# Altium PCB 主控板V3.PcbDoc
Units mil, origin at the board's own origin, x right, y up, seen from the top; angles counter-clockwise.
Board outline 3937.01 x 3937.01 mil, 2 copper layers (Top Layer, Bottom Layer); 122 components, 120 nets, 500 pads, 221 vias.
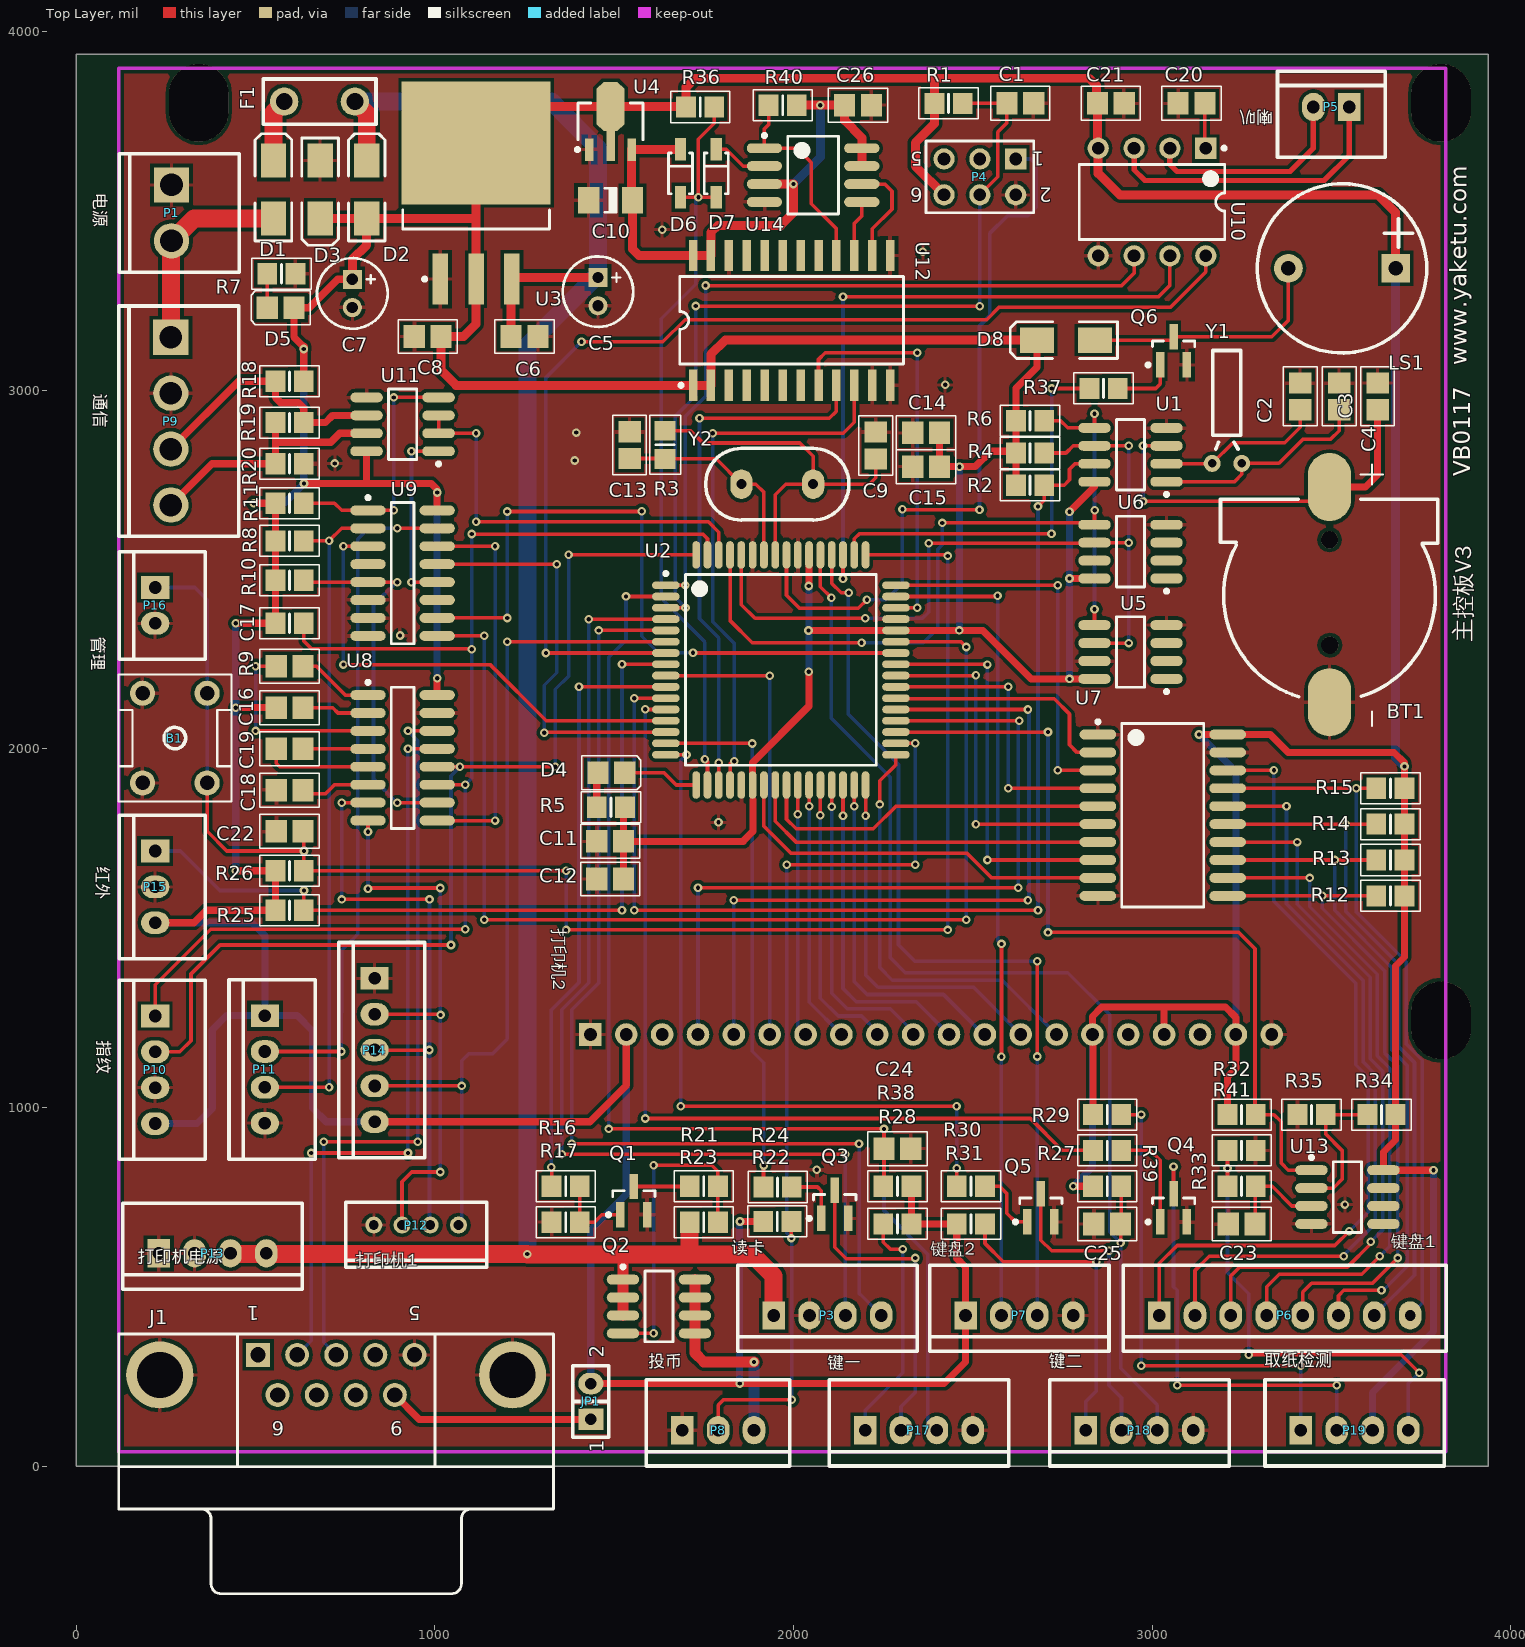
[diagram p0: Top Layer view]
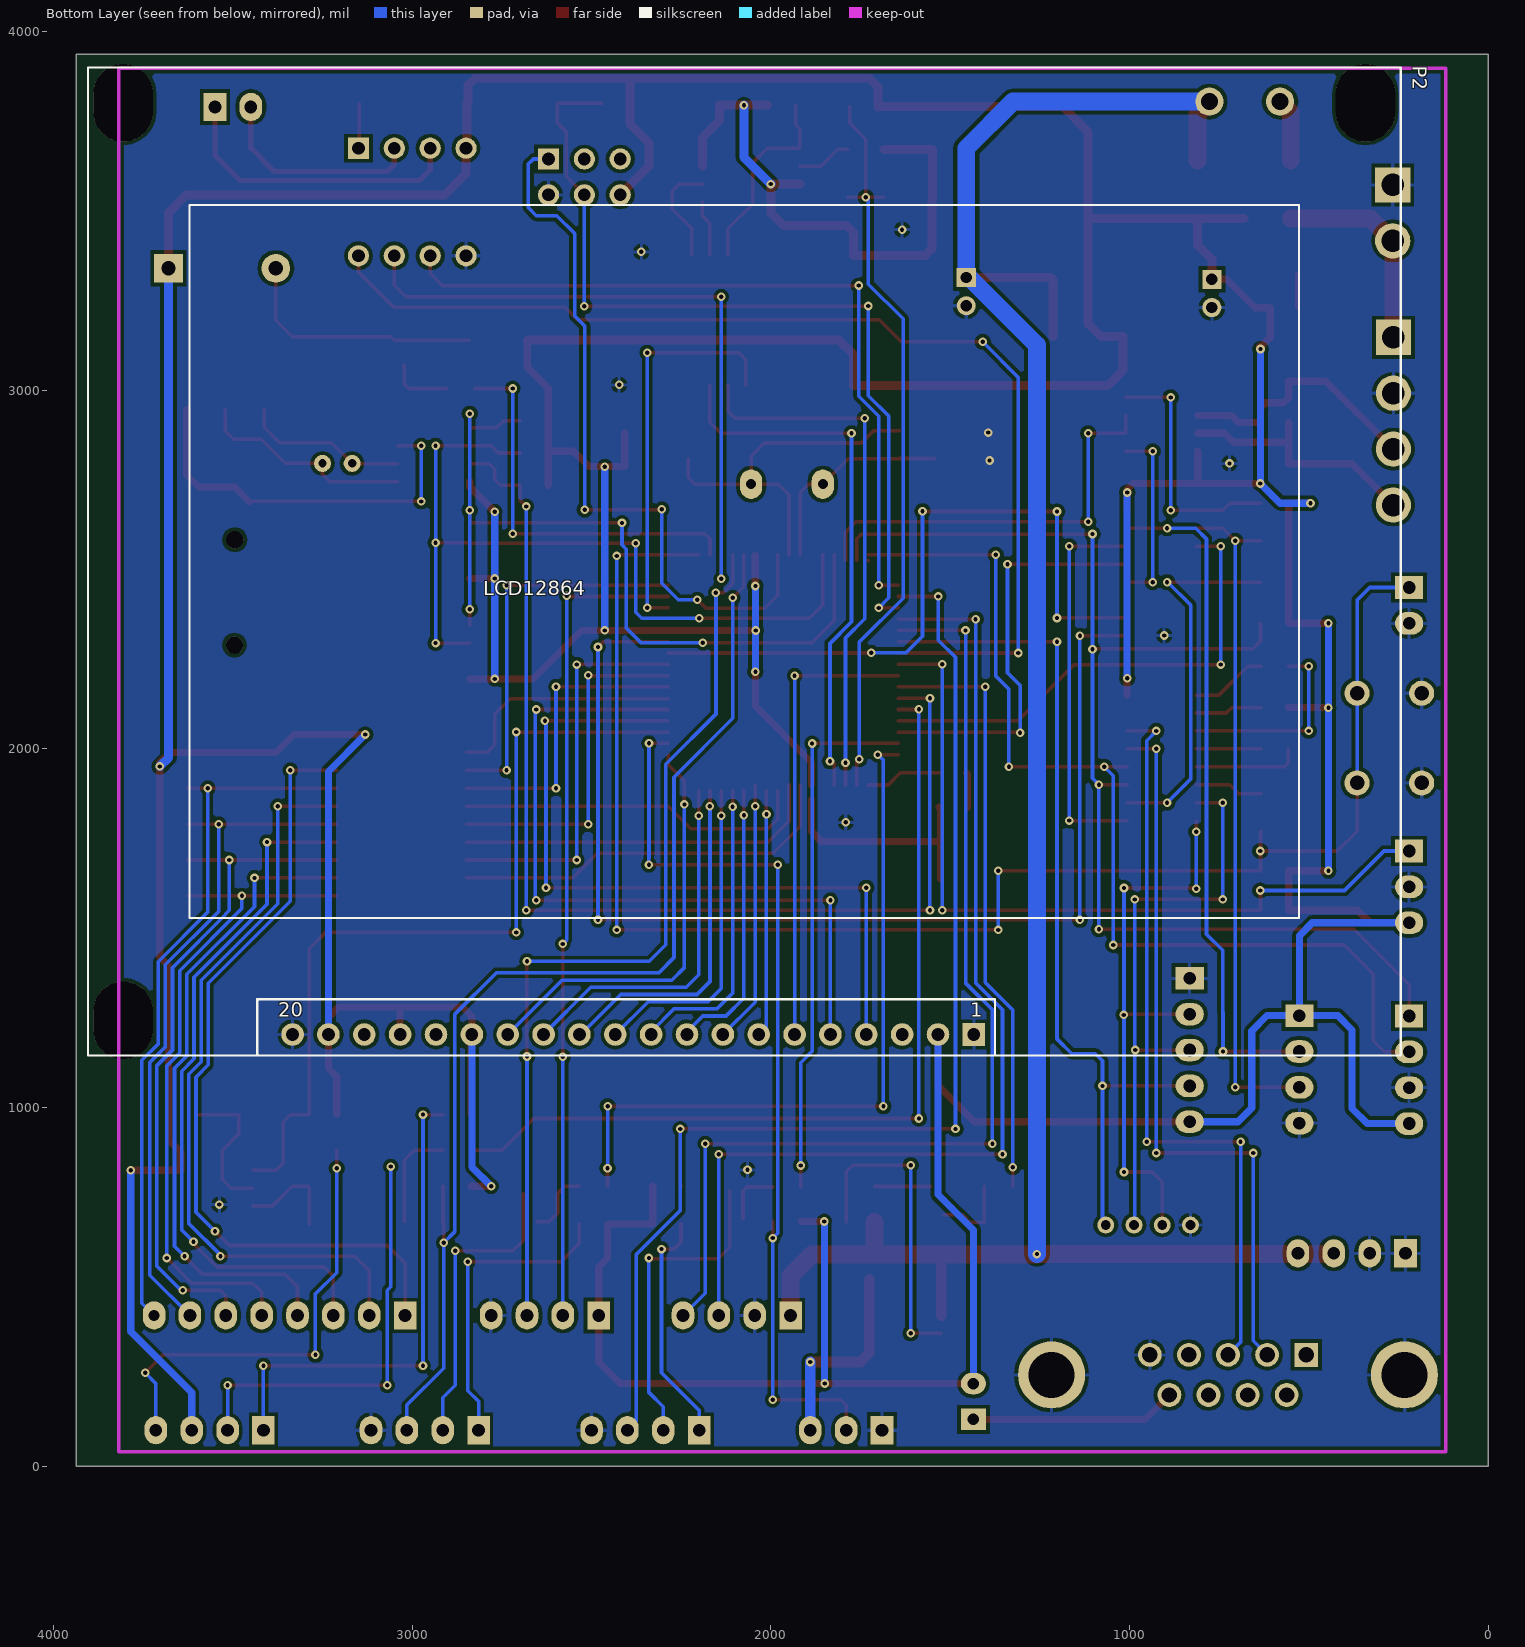
[diagram p1: Bottom Layer view, seen from below]

## Layer stack, top to bottom
Top Solder: solder mask 0.4, Solder Resist, Dk 3.5
Top Layer: signal copper 1.4
Dielectric 1: dielectric 12.6, FR-4, Dk 4.8
Bottom Layer: signal copper 1.4
Bottom Solder: solder mask 0.4, Solder Resist, Dk 3.5

## Board outline
0,0 0,3937.01 3937.01,3937.01 3937.01,0

## Design rules (kind name [scope] priority, off if disabled: settings)
Clearance [All] p1 off: gap=10
HoleSize [All] p1: absolutevalues=TRUE maxlimit=500 minlimit=1 maxpercent=80.000 minpercent=20.000
MinimumSolderMaskSliver [All] p1 off: minsoldermaskwidth=10
PolygonConnect [All] p1: connectstyle=Relief reliefconductorwidth=10 reliefentries=4 polygonreliefangle="90 Angle" airgapwidth=10
RoutingVias [All] p1: holewidth=28 width=50 viastyle="Through Hole" minholewidth=28 minwidth=50 maxholewidth=28 maxwidth=50
SilkToBoardRegionClearance [All] p1 off:
SilkToSilkClearance [All] p1 off: silktosilkclearance=10
SilkToSolderMaskClearance [IsPad] p1 off: minsilkscreentomaskgap=10 clearancetoexposedcopper=TRUE
SolderMaskExpansion [All] p1: expansion=4
Width [All] p1: maxlimit=50 minlimit=10 preferedwidth=10
24 further rules are at their usual default settings.

## Components (designator, comment, footprint, x,y, rotation, side; value= is the part's Value field where it differs from the comment)
B1 "button" AN66 275,2030 r180 top
BT1 "bettery" CR1220 3495,2430 r270 top
C1 "0.1uF" CAPC2012M 2632.6,3800 r180 top
C2 "15pF" CAPC2012M 3413,2983 r90 top
C3 "0.1uF" CAPC2012M 3629,2983 r270 top
C4 "15pF" CAPC2012M 3522,2983 r90 top
C5 "Cap Pol2" CAPPR2-5x11.5 1455,3275 r270 top
C6 "0.1uF" CAPC2012M 1250,3150 r180 top
C7 "Cap Pol2" CAPPR2-5x11.5 770,3270 r270 top
C8 "0.1uF" CAPC2012M 980,3150 r0 top
C9 "15pF" CAPC2012M 2230,2846 r270 top
C10 "Cap Pol1" CAPC3216M 1490,3530 r180 top
C11 "0.1uF" CAPC2012M 1489,1742 r0 top
C12 "10uF" CAPC2012M 1489,1637 r0 top
C13 "15pF" CAPC2012M 1543,2847 r270 top
C14 "0.1uF" CAPC2012M 2370,2881 r0 top
C15 "10uF" CAPC2012M 2370,2787 r0 top
C16 "0.1uF" CAPC2012M 595,2000 r0 top
C17 "0.1uF" CAPC2012M 595,2230 r0 top
C18 "0.1uF" CAPC2012M 595,1885 r0 top
C19 "0.1uF" CAPC2012M 595,2115 r180 top
C20 "0.1uF" CAPC2012M 3110,3800 r180 top
C21 "0.1uF" CAPC2012M 2885,3800 r180 top
C22 "0.1uF" CAPC2012M 595,1770 r0 top
C23 "0.1uF" CAPC2012M 3250,675 r0 top
C24 "0.1uF" CAPC2012M 2290,885 r180 top
C25 "0.1uF" CAPC2012M 2875,675 r0 top
C26 "0.1uF" CAPC2012M 2180,3795 r180 top
D1 "Diode" DSO-C2/X1.8 550,3560 r90 top
D2 "Diode" DSO-C2/X1.8 810,3560 r90 top
D3 "SMAJ6.0A" DSO-C2/X1.8 680,3560 r270 top
D4 "LED" LED2012M 1492,1933 r0 top
D5 "LED" LED2012M 570,3230 r180 top
D6 "1N4007" SOD123 1685,3605 r90 top
D7 "1N4007" SOD123 1785,3605 r90 top
D8 "Diode" DSO-C2/X1.8 2760,3140 r180 top
F1 "Fuse" SR075 580,3805 r0 top
J1 "D Connector 9" DSUB1.385-2H9 725,-120 r180 top
JP1 "Jumper2" JP2 1435,180 r90 top
LS1 "Buzzer" BELL 3530,3340 r0 top
P1 "Header 2" VH396-2 120,3660 r270 top
P2 "LCD" LCD12864 3885,1105 r180 bottom locked
P3 "Header 4" XH254-4 1945,420 r0 top
P4 "DEBUG" HDR2X3 2620,3645 r180 top
P5 "Header 2" XH254-2 3550,3790 r180 top
P6 "keys" XH254-8 3020,420 r0 top
P7 "Header 4" XH254-4 2480,420 r0 top
P8 "投币" XH254-3 1690,100 r0 top
P9 "Header 4" VH396-4 118.11,3235 r270 top
P10 "Header 4" XH254-4 220,1255 r270 top
P11 "Header 4" XH254-4 526,1256 r270 top
P12 "P12" "PH-A4 2.0" 1066,672 r180 top
P13 "P13" XH254-4 230,593 r0 top
P14 "P14" XH254-5 832,1360 r270 top
P15 "1838T" XH254-3 220,1715 r270 top
P16 "Header 2" XH254-2 220,2450 r270 top
P17 "Header 4" XH254-4 2200,100 r0 top
P18 "Header 4" XH254-4 2815,100 r0 top
P19 "Header 4" XH254-4 3415,100 r0 top
Q1 "8050" SOT23-3M 1555,740 r90 top
Q2 "IRF4435" SO8_M 1625,445 r0 top
Q3 "8050" SOT23-3M 2115,730 r90 top
Q4 "8050" SOT23-3M 3060,720 r90 top
Q5 "8050" SOT23-3M 2690,720 r90 top
Q6 "8050" SOT23-3M 3060,3110 r90 top
R1 "10K" RESC2012M 2432.6,3800 r180 top
R2 "10K" RESC2012M 2660,2735 r180 top
R3 "1M" RESC2012M 1642,2848 r270 top
R4 "10K" RESC2012M 2660,2825 r180 top
R5 "1K" RESC2012M 1491,1837 r0 top
R6 "10K" RESC2012M 2660,2915 r180 top
R7 "1K" RESC2012M 572,3325 r180 top
R8 "10K" RESC2012M 595,2580 r180 top
R9 "10K" RESC2012M 595,2350 r180 top
R10 "10K" RESC2012M 595,2470 r180 top
R11 "10K" RESC2012M 595,2685 r180 top
R12 "10K" RESC2012M 3665,1590 r180 top
R13 "10K" RESC2012M 3665,1690 r180 top
R14 "10K" RESC2012M 3665,1790 r180 top
R15 "10K" RESC2012M 3665,1890 r180 top
R16 "470" RESC2012M 1365,780 r0 top
R17 "1K" RESC2012M 1365,680 r0 top
R18 "620" RESC2012M 595,3025 r0 top
R19 "120" RESC2012M 595,2910 r0 top
R20 "620" RESC2012M 595,2795 r180 top
R21 "10K" RESC2012M 1750,780 r0 top
R22 "10K" RESC2012M 1955,682 r180 top
R23 "10K" RESC2012M 1750,680 r180 top
R24 "470" RESC2012M 1956,778 r0 top
R25 "10K" RESC2012M 595,1550 r180 top
R26 "10K" RESC2012M 595,1660 r180 top
R27 "470" RESC2012M 2875,880 r0 top
R28 "100" RESC2012M 2290,675 r0 top
R29 "3.3K" RESC2012M 2875,980 r180 top
R30 "470" RESC2012M 2495,780 r0 top
R31 "100" RESC2012M 2495,675 r180 top
R32 "100K" RESC2012M 3250,880 r180 top
R33 "1K" RESC2012M 3250,780 r0 top
R34 "10K" RESC2012M 3640,980 r0 top
R35 "10K" RESC2012M 3445,980 r0 top
R36 "1K" RESC2012M 1740,3790 r0 top
R37 "100" RESC2012M 2865,3005 r0 top
R38 "10K" RESC2012M 2290,780 r0 top
R39 "10K" RESC2012M 2875,780 r180 top
R40 "10K" RESC2012M 1970,3795 r0 top
R41 "10K" RESC2012M 3250,980 r180 top
U1 "SD2068" SO8_M 2940,2820 r180 top
U2 "MC9S08AC60" QFP80P1720X1720-64N 1965,2220 r0 top
U3 "LM1085IS-5.0" TS3B_M 1115,3550 r90 top
U4 "HT7335" SOT89M 1490,3750 r90 top
U5 "24CXX" SO8_M 2940,2270 r180 top
U6 "24CXX" SO8_M 2940,2550 r180 top
U7 "SN74LVC244" SO20W 3030,1815 r0 top
U8 "MAX232AESE" SO16_M 910,1975 r0 top
U9 "CD4052BCM" SO16_M 910,2490 r0 top
U10 "NY3P065B" DIP-8 3000,3525 r270 top
U11 "MAX485ESA" SO8_M 910,2905 r180 top
U12 "74HC4245" SO24W 1995,3195 r0 top
U13 "LM393D" SO8_M 3545,750 r0 top
U14 "W25X16" SOP127P780-8M 2055,3600 r0 top
Y1 "XTAL" XTAL-W2/D2.1 3209,2796 r90 top
Y2 "XTAL" HC49_TH 1955,2738 r180 top

## Footprints (in the part's own frame and the unit in brackets; to place one, negate y for a bottom-side part, rotate by r counter-clockwise, add the part's x,y. Pads: shape width x height; smd on the part's side, far side on the other; paste and mask are expansions set on the pad)
AN66 [mil]
  round 70 hole 40: 1(-90,125) 2(90,125) 3(-90,-125) 4(90,-125)
  silkscreen extent -157,-177 157,177
BELL [mil]
  rect 80x80 hole 40: 1(149.61,0)
  round 80 hole 40: 2(-149.61,0)
  silkscreen extent -236,-236 236,236
CAPC2012M [mm] "Chip Capacitor, Body 2.0x1.3mm, IPC Low Density"
  rect 1.5x1.6 smd: 1(-0.95,0) 2(0.95,0)
  silkscreen extent -2.1,-1.2 2.1,1.2, body extent -1.1,-0.72 1.1,0.72, height 1.1
CAPC3216M [mm] "Chip Capacitor, Body 3.2x1.6mm, IPC Low Density"
  rect 1.5x1.9 smd: 1(-1.55,0) 2(1.55,0)
  silkscreen extent -0.4,-0.85 0.4,0.85, body extent -1.7,-0.9 1.7,0.9, height 1.35
CAPPR2-5x11.5 [mm] "Capacitor, Electrolytic, Radial; Body 5 x 11.5 mm (Dia.xH typ); Pin Spacing 2 mm (typ)"
  rect 1.35x1.35 hole 0.8: 1(-1,0)
  round 1.35 hole 0.8: 2(1,0)
  silkscreen extent -2.5,-2.5 2.5,2.5
CR1220 [mil]
  oval 190x120 smd: 1(-300,0) 2(300,0)
  round 48 hole 48 unplated: ""(-153,0) ""(141,0.76)
  silkscreen extent -362,-304 366,302
DIP-8 [mm] "DIP; 8 Leads; Row Spacing 7.62 mm; Pitch 2.54 mm"
  rect 1.5x1.5 hole 0.9: 1(-3.81,3.81)
  round 1.5 hole 0.9: 2(-3.81,1.27) 3(-3.81,-1.27) 4(-3.81,-3.81) 5(3.81,-3.81) 6(3.81,-1.27) 7(3.81,1.27) 8(3.81,3.81)
  silkscreen extent -3.93,-5.15 2.65,5.24, body extent -3.6,-5.15 3.6,5.15, height 5.08
DSO-C2/X1.8 [mm] "DO-214-AC/SMA; 2 C-Bend Leads; Body 5 x 2.7 mm, inc. leads (LxW)"
  rect 2.4x1.8 smd: 1(-2.05,0) 2(2.05,0)
  silkscreen extent -3.65,-1.3 3.95,1.3
DSUB1.385-2H9 [mm] "Connector; D Subminiature; 9 Position; Right Angle; Pitch 1.385 mm"
  rect 1.69x1.69 hole 1.09: 1(5.54,-10.92)
  round 1.69 hole 1.09: 2(2.77,-10.92) 3(0,-10.92) 4(-2.77,-10.92) 5(-5.54,-10.92) 6(4.155,-8.08) 7(1.385,-8.08) 8(-1.385,-8.08) 9(-4.155,-8.08)
  round 4.76 hole 3.26: 10(-12.495,-9.5) 11(12.495,-9.5)
  silkscreen extent -15.4,-12.4 15.4,6
HC49_TH [mil]
  oval 62x82 hole 28: 1(-100,0) 2(100,0)
  silkscreen extent -200,-100 200,100
HDR2X3 [mm] "Connector; Header; 3x2 Position"
  rect 1.5x1.5 hole 0.9: 1(0,0)
  round 1.5 hole 0.9: 2(0,2.54) 3(2.54,0) 4(2.54,2.54) 5(5.08,0) 6(5.08,2.54)
  silkscreen extent -1.27,-1.27 6.35,3.81
JP2 [mil]
  rect 60x70 hole 32: 1(-50,0)
  oval 60x70 hole 32: 2(50,0)
  silkscreen extent -100,-50 100,50
LCD12864 [mm]
  oval 4.2x5.5 hole 4.2 slot 5.5 at 90 deg: 0(2,3.5) 0(2,68.5) 0(90,68.5)
  rect 1.6x1.6 hole 0.9: 1(62.26,2.5)
  round 1.6 hole 0.9: 2(59.72,2.5) 3(57.18,2.5) 4(54.64,2.5) 5(52.1,2.5) 6(49.56,2.5) 7(47.02,2.5) 8(44.48,2.5) 9(41.94,2.5) 10(39.4,2.5) 11(36.86,2.5) 12(34.32,2.5) 13(31.78,2.5) 14(29.24,2.5) 15(26.7,2.5) 16(24.16,2.5) 17(21.62,2.5) 18(19.08,2.5) 19(16.54,2.5) 20(14,2.5)
  silkscreen extent -0.5,1 92.5,71
LED2012M [mm] "Chip LED, Body 2.0x1.3mm, IPC Low Density"
  rect 1.5x1.6 smd: 1(-0.95,0) 2(0.95,0)
  silkscreen extent -2.1,-1.2 2.1,1.2, body extent -1.1,-0.72 1.1,0.72, height 1.1
"PH-A4 2.0" [mm]
  round 1.2 hole 0.7: 1(0,0) 2(2,0) 3(4,0) 4(6,0)
  silkscreen extent -2,-1.6 8,3
QFP80P1720X1720-64N [mm] "QFP, 64-Leads, Body 14x14mm, Pitch 0.8mm, IPC Medium Density"
  oval 1.95x0.55 smd: 1(-8.15,6) 2(-8.15,5.2) 3(-8.15,4.4) 4(-8.15,3.6) 5(-8.15,2.8) 6(-8.15,2) 7(-8.15,1.2) 8(-8.15,0.4) 9(-8.15,-0.4) 10(-8.15,-1.2) 11(-8.15,-2) 12(-8.15,-2.8) 13(-8.15,-3.6) 14(-8.15,-4.4) 15(-8.15,-5.2) 16(-8.15,-6) 33(8.15,-6) 34(8.15,-5.2) 35(8.15,-4.4) 36(8.15,-3.6) 37(8.15,-2.8) 38(8.15,-2) 39(8.15,-1.2) 40(8.15,-0.4) 41(8.15,0.4) 42(8.15,1.2) 43(8.15,2) 44(8.15,2.8) 45(8.15,3.6) 46(8.15,4.4) 47(8.15,5.2) 48(8.15,6)
  oval 0.55x1.95 smd: 17(-6,-8.15) 18(-5.2,-8.15) 19(-4.4,-8.15) 20(-3.6,-8.15) 21(-2.8,-8.15) 22(-2,-8.15) 23(-1.2,-8.15) 24(-0.4,-8.15) 25(0.4,-8.15) 26(1.2,-8.15) 27(2,-8.15) 28(2.8,-8.15) 29(3.6,-8.15) 30(4.4,-8.15) 31(5.2,-8.15) 32(6,-8.15) 49(6,8.15) 50(5.2,8.15) 51(4.4,8.15) 52(3.6,8.15) 53(2.8,8.15) 54(2,8.15) 55(1.2,8.15) 56(0.4,8.15) 57(-0.4,8.15) 58(-1.2,8.15) 59(-2,8.15) 60(-2.8,8.15) 61(-3.6,8.15) 62(-4.4,8.15) 63(-5.2,8.15) 64(-6,8.15)
  silkscreen extent -8.27,-6.75 6.75,6.95, body extent -7,-7 7,7, height 2.45
RESC2012M [mm] "Chip Resistor, Body 2.0x1.3mm, IPC Low Density"
  rect 1.4x1.5 smd: 1(-1,0) 2(1,0)
  silkscreen extent -2.1,-1.1 2.1,1.1, body extent -1.07,-0.7 1.07,0.7, height 0.65
SO8_M [mm] "SOIC, 8-Leads, Body 4.9x3.9mm, Pitch 1.27mm, IPC Low Density"
  oval 2.3x0.7 smd: 1(-2.55,1.905) 2(-2.55,0.635) 3(-2.55,-0.635) 4(-2.55,-1.905) 5(2.55,-1.905) 6(2.55,-0.635) 7(2.55,0.635) 8(2.55,1.905)
  silkscreen extent -2.67,-2.5 1,2.93, body extent -2,-2.5 2,2.5, height 1.75
SO16_M [mm] "SOIC, 16-Leads, Body 9.9x3.9mm, Pitch 1.27mm, IPC Low Density"
  oval 2.5x0.7 smd: 1(-2.45,4.445) 2(-2.45,3.175) 3(-2.45,1.905) 4(-2.45,0.635) 5(-2.45,-0.635) 6(-2.45,-1.905) 7(-2.45,-3.175) 8(-2.45,-4.445) 9(2.45,-4.445) 10(2.45,-3.175) 11(2.45,-1.905) 12(2.45,-0.635) 13(2.45,0.635) 14(2.45,1.905) 15(2.45,3.175) 16(2.45,4.445)
  silkscreen extent -2.57,-5 0.8,5.47, body extent -2,-5 2,5, height 1.75
SO20W [mm] "SOIC, 20-Leads, Body 12.8x7.5mm, Pitch 1.27mm, IPC Low Density"
  oval 2.6x0.7 smd: 1(-4.6,5.715) 2(-4.6,4.445) 3(-4.6,3.175) 4(-4.6,1.905) 5(-4.6,0.635) 6(-4.6,-0.635) 7(-4.6,-1.905) 8(-4.6,-3.175) 9(-4.6,-4.445) 10(-4.6,-5.715) 11(4.6,-5.715) 12(4.6,-4.445) 13(4.6,-3.175) 14(4.6,-1.905) 15(4.6,-0.635) 16(4.6,0.635) 17(4.6,1.905) 18(4.6,3.175) 19(4.6,4.445) 20(4.6,5.715)
  silkscreen extent -4.72,-6.5 2.9,6.74, body extent -3.75,-6.5 3.75,6.5, height 2.65
SO24W [mm] "Small Outline; 24 Leads; Body Width 7.5 mm; Pitch 1.27 mm"
  rect 0.6x2.2 smd: 1(-6.985,-4.6) 2(-5.715,-4.6) 3(-4.445,-4.6) 4(-3.175,-4.6) 5(-1.905,-4.6) 6(-0.635,-4.6) 7(0.635,-4.6) 8(1.905,-4.6) 9(3.175,-4.6) 10(4.445,-4.6) 11(5.715,-4.6) 12(6.985,-4.6) 13(6.985,4.6) 14(5.715,4.6) 15(4.445,4.6) 16(3.175,4.6) 17(1.905,4.6) 18(0.635,4.6) 19(-0.635,4.6) 20(-1.905,4.6) 21(-3.175,4.6) 22(-4.445,4.6) 23(-5.715,4.6) 24(-6.985,4.6)
  silkscreen extent -7.96,-4.72 7.93,3.1
SOD123 [mm] "SOD-123; 2 Leads; Body 2.7 x 1.6 mm, (LxW)"
  rect 1.6x0.8 smd: 1(-1.7,0) 2(1.7,0)
  silkscreen extent -1.45,-0.85 1.45,0.85
SOP127P780-8M [mm] "SOP, 8-Leads, Body 5.3x5.3mm, Pitch 1.27mm, IPC Low Density"
  oval 2.5x0.7 smd: 1(-3.45,1.905) 2(-3.45,0.635) 3(-3.45,-0.635) 4(-3.45,-1.905) 5(3.45,-1.905) 6(3.45,-0.635) 7(3.45,0.635) 8(3.45,1.905)
  silkscreen extent -3.57,-2.75 1.8,2.93, body extent -2.73,-2.75 2.73,2.75, height 2.03
SOT23-3M [mm] "SOT23, 3-Leads, Body 2.9x1.3mm, Pitch 0.95mm, Lead Span 2.5mm, IPC Low Density"
  rect 1.8x0.6 smd: 1(-1,0.95) 2(-1,-0.95) 3(1,0)
  silkscreen extent -1.12,-1.5 0.7,1.92, body extent -0.7,-1.5 0.7,1.5, height 1.1
SOT89M [mm] "SOT, 3-Leads, Body 4.6 x 2.6 mm, Pitch 1.5mm, IPC Low Density"
  oct 3.5x2 smd: 0(1.05,0)
  rect 1.6x0.6 smd: 1(-2,1.5) 3(-2,-1.5)
  rect 2.1x0.6 smd: 2(-1.75,0)
  silkscreen extent -2.12,-2.3 1.3,2.47, body extent -1.3,-2.3 1.3,2.3, height 1.8
SR075 [mm]
  round 2 hole 1.2: 1(0,0) 2(5,0)
  silkscreen extent -1.5,-1.6 6.5,1.6
TS3B_M [mm] "D2-PAK, 4-Leads, Body 8.6x10.2mm, Pitch 2.54mm, Lead Span 14.2mm, IPC Low Density"
  rect 3.6x1.1 smd: 1(-6.1,2.54) 2(-6.1,0) 3(-6.1,-2.54)
  rect 8.7x10.55 smd: 4(3.55,0)
  silkscreen extent -6.22,-5.2 -1.2,5.2, body extent -2.55,-5.2 6.34,5.2, height 4.64
VH396-2 [mm]
  rect 2.5x2.5 hole 1.6: 1(2.22,3.7)
  round 2.5 hole 1.6: 2(6.18,3.7)
  silkscreen extent 0,0 8.4,8.5
VH396-4 [mm]
  rect 2.5x2.5 hole 1.6: 1(2.22,3.7)
  round 2.5 hole 1.6: 2(6.18,3.7) 3(10.14,3.7) 4(14.1,3.7)
  silkscreen extent 0,0 16.32,8.5
XH254-2 [mm]
  rect 1.6x2 hole 0.9: 1(0,0)
  oval 1.6x2 hole 0.9: 2(2.54,0)
  silkscreen extent -2.54,-2.54 5.08,3.56
XH254-3 [mm]
  rect 1.6x2 hole 0.9: 1(0,0)
  oval 1.6x2 hole 0.9: 2(2.54,0) 3(5.08,0)
  silkscreen extent -2.54,-2.54 7.62,3.56
XH254-4 [mm]
  rect 1.6x2 hole 0.9: 1(0,0)
  oval 1.6x2 hole 0.9: 2(2.54,0) 3(5.08,0) 4(7.62,0)
  silkscreen extent -2.54,-2.54 10.16,3.56
XH254-5 [mm]
  rect 1.6x2 hole 0.9: 1(0,0)
  oval 1.6x2 hole 0.9: 2(2.54,0) 3(5.08,0) 4(7.62,0) 5(10.16,0)
  silkscreen extent -2.54,-2.54 12.7,3.56
XH254-8 [mm]
  rect 1.6x2 hole 0.9: 1(0,0)
  oval 1.6x2 hole 0.9: 2(2.54,0) 3(5.08,0) 4(7.62,0) 5(10.16,0) 6(12.7,0) 7(15.24,0)
  oval 1.6x2 hole 0.76: 8(17.78,0)
  silkscreen extent -2.54,-2.54 20.32,3.56
XTAL-W2/D2.1 [mm] "Crystal, Thru-Hole; 2 Leads; Body 2.1 x 6.2 mm (Dia.xH)"
  round 1.2 hole 0.6: 1(0,1.05) 2(0,-1.05)
  silkscreen extent 1,-0.98 8,1.02

## Part data
B1: library part Button, "Button"
BT1: library part Battery, "Multicell Battery"
C1 C2 C3 C4 C6 C8 C9 C11 C12 C13 C14 C15 C16 C17 C18 C19 C20 C21 C22 C23 C24 C25 C26: library part Cap, "Capacitor"
C5 C7: "Polarized Capacitor (22uf-47uf)"
C10: "Polarized Capacitor (10uf)"
D1 D2 D8: "Default Diode"
D3: library part TVS, "TVS瞬态抑制二极管"
D4 D5: "Typical INFRARED GaAs LED"
D6 D7: library part Diode, "Default Diode"
J1: "Receptacle Assembly, 9 Position, Right Angle"
LS1: "Magnetic Transducer Buzzer"
P1 P5 P16: "Header, 2-Pin"
P2: library part "Header 20", "Header, 20-Pin"
P3 P7 P9 P10 P11 P17 P18 P19: "Header, 4-Pin"
P4: library part "Header 3X2", "Header, 3-Pin, Dual row"
P6: library part "Header 8", "Header, 8-Pin"
P8: library part "Header 3", "Header, 3-Pin"
P12 P13: library part "Header 4", "Header, 4-Pin"
P14: library part "Header 5", "Header, 5-Pin"
Q1 Q3 Q4 Q5 Q6: library part NPN, "NPN Bipolar Transistor"
Q2: "HEXFET Power MOSFET"
R1 R2 R3 R4 R5 R6 R7 R8 R9 R10 R11 R12 R13 R14 R15 R16 R17 R18 R19 R20 R21 R22 R23 R24 R25 R26 R27 R28 R29 R30 R31 R32 R33 R34 R35 R36 R37 R38 R39 R40 R41: library part Res, "Resistor"
U1: "实时时钟"
U2: "HCS08 MC9S08AC60"
U3: "3A Low Dropout Positive Regulators, 3-pin TO-263"
U5 U6: "5V, I2C Serial EEPROM"
U7: "Octal Buffer/Driver with 3-State Outputs"
U8: "+5V-Powered, Multichannel RS-232 Driver/Receiver"
U9: "Dual 4-Channel Analog Multiplexer/Demultiplexer"
U11: "Low-Power, Slew-Rate-Limited RS-485/RS-422 Transceiver"
U12: "Octal Bus Transceiver and 3.3-V to 5-V Shifter with 3-State Outputs"
U13: "Low-Power Dual Voltage Comparator"
Y1 Y2: "Crystal Oscillator"

## Via types
v1: diameter 24, hole 12, Top Layer to Bottom Layer, 221 vias
